# Altium PCB foxbms2-master.PcbDoc (part 7 of 12)
Units mil, origin at the board's own origin, x right, y up, seen from the top; angles counter-clockwise.
Board outline 7874.02 x 4724.41 mil, 8 copper layers (Top, Int1 (Sig), Int2 (Gnd), Int3 (Sig), Int4 (Sig), Int5 (Pwr), Int6 (Sig), Bottom), stack 64.41 mil thick; 912 components, 680 nets, 3159 pads, 2871 vias.
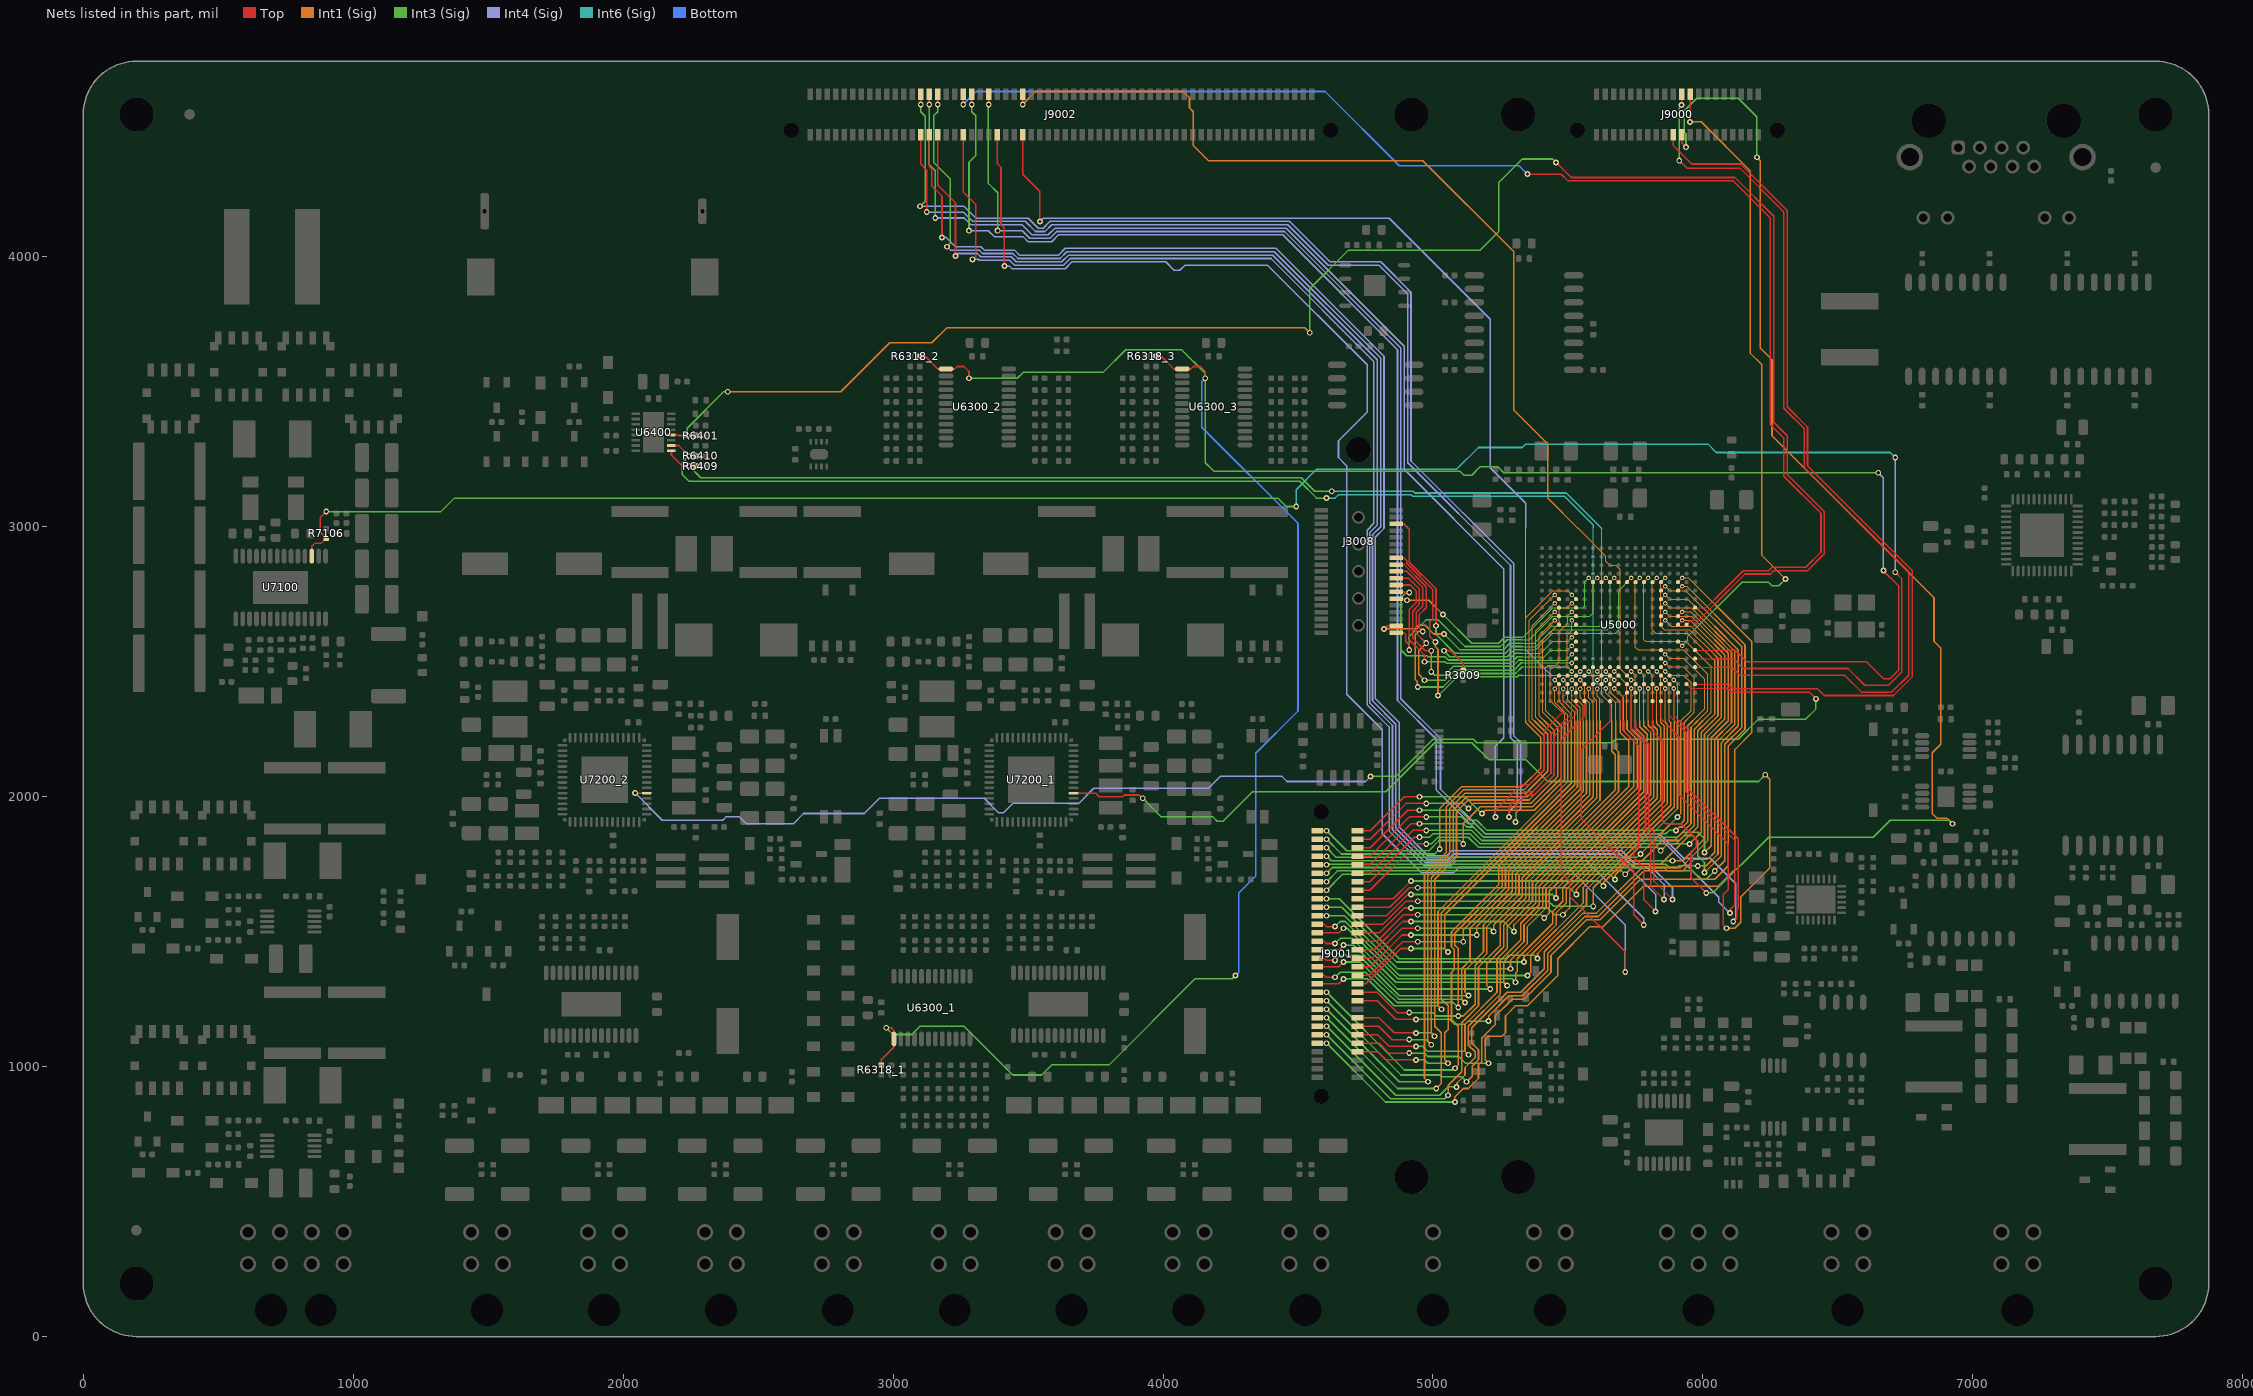
[diagram p13: the nets of this part, all layers, seen from the top]

## Via types
v1: diameter 21.65, hole 11.81, Top to Bottom, 1680 vias
v2: diameter 21.65, hole 11.81, Top to Bottom, tented both sides, 970 vias
v3: diameter 17.72, hole 7.87, Top to Bottom, tented both sides, 172 vias
v4: diameter 17.72, hole 7.87, Top to Bottom, 23 vias
v5: diameter 29.53, hole 19.68, Top to Bottom, tented both sides, 17 vias
v6: diameter 29.53, hole 19.68, Top to Bottom, 9 vias

## Nets (pads, with @x,y where several pads share a name; then routed paths per layer and width w, separated by ;. In a path a pad name is that pad's centre, name@x,y a point inside that pad or via, vN(x,y) a via of type N, cw(c..) or ccw(c..) an arc to the next point about the centre after c; other vN are vias at no path point) (continued)
MCU_EMIF.\CS0_1: J9001.44 U5000.N17 | length 2731.5
  Top w4: v3(5451.28,2747.74) U5000.N17@5467.03,2731.99
  Top w6: J9001.44@4570.87,1212.6 v1(4606.25,1212.6)
  Int3 (Sig) w6: v1(4606.25,1212.6) 4875.1,943.75 v1(4981.25,943.75)
  Int1 (Sig) w4: 5356.25,2281.25 5356.25,2652.71 v3(5451.28,2747.74)
  Int1 (Sig) w6: v1(4981.25,943.75) 4968.75,956.25 4968.75,1712.5 5050,1793.75 5050,1962.5 5112.5,2025 5337.5,2025 5412.5,2100 5412.5,2225 5356.25,2281.25
MCU_EMIF.\CS2_1: J9001.45 U5000.L17 | length 2281.8
  Top w4: v4(5451.28,2684.74) U5000.L17@5467.03,2669
  Top w6: J9001.45@4720.47,1181.1 4800.15,1181.1 4856.25,1125 v1(4937.5,1125)
  Int3 (Sig) w6: v1(4937.5,1125) 4993.75,1125 v1(5006.25,1112.5)
  Int1 (Sig) w4: 5393.75,2281.25 5381.25,2293.75 5381.25,2614.71 v4(5451.28,2684.74)
  Int1 (Sig) w6: v1(5006.25,1112.5) 4993.75,1125 4993.75,1700 5075,1781.25 5075,1950 5125,2000 5350,2000 5437.5,2087.5 5437.5,2237.5 5393.75,2281.25
MCU_EMIF.\CS3_1: J9001.46 U5000.K17 | length 2687.9
  Top w4: v4(5451.28,2653.25) U5000.K17@5467.03,2637.5
  Top w6: J9001.46@4570.87,1181.1 v1(4606.25,1181.1)
  Int3 (Sig) w6: v1(4606.25,1181.1) 4868.6,918.75 v1(5012.5,918.75)
  Int1 (Sig) w4: 5412.5,2281.25 5393.75,2300 5393.75,2595.72 v4(5451.28,2653.25)
  Int1 (Sig) w6: v1(5012.5,918.75) 5031.25,937.5 5031.25,1125 5006.25,1150 5006.25,1693.75 5087.5,1775 5087.5,1943.75 5131.25,1987.5 5356.25,1987.5 5450,2081.25 5450,2243.75 5412.5,2281.25
MCU_EMIF.\CS4_1: J9001.47 U5000.M17 | length 2337.1
  Top w4: v4(5451.28,2716.24) U5000.M17@5467.03,2700.49
  Top w6: J9001.47@4720.47,1149.61 4799.75,1149.61 4849.36,1100 v1(4912.5,1100)
  Int3 (Sig) w6: v1(4912.5,1100) 4975,1100 v1(4993.75,1081.25)
  Int1 (Sig) w4: 5375,2281.25 5368.75,2287.5 5368.75,2633.71 v4(5451.28,2716.24)
  Int1 (Sig) w6: v1(4993.75,1081.25) 4981.25,1093.75 4981.25,1706.25 5062.5,1787.5 5062.5,1956.25 5118.75,2012.5 5343.75,2012.5 5425,2093.75 5425,2231.25 5375,2281.25
MCU_EMIF.\DQM0_1: J9001.48 U5000.E10 | length 2529.8
  Top w4: v3(5671.75,2464.27) U5000.E10@5687.5,2480.02
  Top w6: J9001.48@4570.87,1149.61 v1(4606.25,1149.61)
  Int3 (Sig) w6: v1(4606.25,1149.61) 4862.11,893.75 5025,893.75 5056.25,925 v1(5087.5,925)
  Int1 (Sig) w4: v3(5671.75,2464.27) 5718.75,2417.27 5718.75,2281.25
  Int1 (Sig) w6: v1(5087.5,925) 5089.27,926.77 5089.27,939.27 5118.75,968.75 5118.75,996.37 5156.25,1033.87 5156.25,1054.58 5131.25,1079.58 5131.25,1150 5250,1268.75 5250,1393.75 5325,1468.75 5325,1531.25 5393.75,1600 5393.75,1668.75 5756.25,2031.25 5756.25,2212.5 5718.75,2250 5718.75,2281.25
MCU_EMIF.\DQM1_1: J9001.49 U5000.E11 | length 2175.8
  Top w4: v3(5640.26,2464.27) U5000.E11@5656,2480.02
  Top w6: J9001.49@4720.47,1118.11 4794.39,1118.11 4837.5,1075 v1(4937.5,1075)
  Int3 (Sig) w6: v1(4937.5,1075) 4962.5,1075 4981.25,1056.25 5118.75,1056.25 v1(5131.25,1043.75)
  Int1 (Sig) w4: v3(5640.26,2464.27) 5656.25,2448.28 5656.25,2387.5 5693.75,2350 5693.75,2281.25
  Int1 (Sig) w6: v1(5131.25,1043.75) 5118.75,1056.25 5118.75,1156.25 5237.5,1275 5237.5,1400 5275,1437.5 5275,1518.75 5368.75,1612.5 5368.75,1681.25 5725,2037.5 5725,2206.25 5693.75,2237.5 5693.75,2281.25
MCU_EMIF.\OE_1: J9001.50 U5000.E12 | length 2465.2
  Top w4: v4(5608.76,2464.27) U5000.E12@5624.51,2480.02
  Top w6: J9001.50@4570.87,1118.11 v1(4606.25,1118.11)
  Int3 (Sig) w6: v1(4606.25,1118.11) 4843.11,881.25 5043.75,881.25 v1(5056.25,893.75)
  Int1 (Sig) w4: v4(5608.76,2464.27) 5625,2448.03 5625,2377.76 5662.5,2340.26 5662.5,2281.25
  Int1 (Sig) w6: v1(5056.25,893.75) 5056.25,931.25 5106.25,981.25 5106.25,1162.5 5168.75,1225 5168.75,1368.75 5250,1450 5250,1531.25 5343.75,1625 5343.75,1693.75 5675,2025 5675,2155.62 5662.5,2168.12 5662.5,2281.25
MCU_EMIF.\RAS_1: J9001.51 U5000.R3 | length 3115.9
  Top w4: U5000.R3@5907.97,2794.98 v3(5923.72,2810.73)
  Top w6: J9001.51@4720.47,1086.61 4800.89,1086.61 4837.5,1050 v1(4912.5,1050)
  Int3 (Sig) w6: v1(4912.5,1050) 4968.75,1050 4981.25,1037.5 5095.63,1037.5 5120.63,1012.5 v1(5206.25,1012.5)
  Int1 (Sig) w4: v3(5923.72,2810.73) 5945.52,2810.73 6043.75,2712.5
  Int1 (Sig) w6: v1(5206.25,1012.5) 5193.75,1025 5193.75,1100 5206.25,1112.5 5256.25,1112.5 5268.75,1125 5268.75,1187.5 5306.25,1225 5350,1225 5462.5,1337.5 5462.5,1400 5581.25,1518.75 5631.25,1518.75 5781.25,1668.75 6056.25,1668.75 6118.75,1731.25 6118.75,2175 6181.25,2237.5 6181.25,2575 6043.75,2712.5
MCU_EMIF.\WAIT_1: J9001.52 U5000.P3 | length 3311.2
  Top w4: U5000.P3@5907.97,2763.48 v3(5923.72,2779.23)
  Top w6: J9001.52@4570.87,1086.61 v1(4606.25,1086.61)
  Int3 (Sig) w6: v1(4606.25,1086.61) 4824.11,868.75 v1(5081.25,868.75)
  Int1 (Sig) w4: v3(5923.72,2779.23) 5939.52,2779.23 6043.75,2675
  Int1 (Sig) w6: v1(5081.25,868.75) 5081.25,887.5 5112.5,918.75 5131.25,918.75 5168.75,956.25 5168.75,1006.25 5181.25,1018.75 5181.25,1106.25 5231.25,1156.25 5231.25,1187.5 5293.75,1250 5337.5,1250 5437.5,1350 5437.5,1412.5 5568.75,1543.75 5618.75,1543.75 5768.75,1693.75 6043.75,1693.75 6093.75,1743.75 6093.75,2187.5 6156.25,2250 6156.25,2562.5 6043.75,2675
MCU_EMIF.\WE_1: J9001.53 U5000.D17 | length 2041.4
  Top w4: v3(5451.28,2432.78) U5000.D17@5467.03,2448.52
  Top w6: J9001.53@4720.47,1055.12 4795.23,1055.12 4825.34,1025 v1(4937.5,1025)
  Int3 (Sig) w6: v1(4937.5,1025) 4968.75,1025 4981.25,1012.5 v1(5056.25,1012.5)
  Int1 (Sig) w4: v3(5451.28,2432.78) 5467.92,2416.14 5467.92,2350.83 5512.5,2306.25 5512.5,2281.25
  Int1 (Sig) w6: v1(5056.25,1012.5) 5043.75,1025 5043.75,1125 5056.25,1137.5 5056.25,1225 5031.25,1250 5031.25,1568.75 5512.5,2050 5512.5,2281.25
MCU_EMIF.ADDR0: J9001.17 U5000.D4 | length 1852.4
  Top w4: U5000.D4@5876.48,2448.52 v3(5892.22,2432.78)
  Top w6: J9001.17@4720.47,1622.05 4853.3,1622.05 v1(4918.75,1687.5)
  Int3 (Sig) w6: v1(4918.75,1687.5) 5612.5,1687.5 v1(5631.25,1668.75)
  Int1 (Sig) w4: v3(5892.22,2432.78) 5907.08,2417.92 5907.08,2281.25
  Int1 (Sig) w6: v1(5631.25,1668.75) 5631.25,1681.25 5906.25,1956.25 5906.25,2276.13 5907.08,2276.96 5907.08,2281.25
MCU_EMIF.ADDR1: J9001.18 U5000.D5 | length 2187
  Top w4: U5000.D5@5844.98,2448.52 v3(5860.73,2432.78)
  Top w6: J9001.18@4570.87,1622.05 v1(4606.25,1622.05)
  Int3 (Sig) w6: v1(4606.25,1622.05) 4652.95,1622.05 4875,1400 5268.75,1400 5281.25,1412.5 5375,1412.5 v1(5387.5,1400)
  Int1 (Sig) w4: v3(5860.73,2432.78) 5875.59,2417.92 5875.59,2281.25
  Int1 (Sig) w6: v1(5387.5,1400) 5387.5,1418.75 5568.75,1600 5568.75,1656.25 5881.25,1968.75 5881.25,2275 5875.59,2280.66 5875.59,2281.25
MCU_EMIF.ADDR2: J9001.19 U5000.E6 | length 1846.1
  Top w4: U5000.E6@5813.48,2480.02 v3(5829.23,2464.27)
  Top w6: J9001.19@4720.47,1590.55 4840.55,1590.55 4912.5,1662.5 v1(4943.49,1662.5)
  Int3 (Sig) w6: v1(4943.49,1662.5) 5506.25,1662.5 v1(5531.25,1637.5)
  Int1 (Sig) w4: v3(5829.23,2464.27) 5844.09,2449.41 5844.09,2412.84 5843.75,2412.5 5843.75,2407.77 5844.09,2407.43 5844.09,2281.25
  Int1 (Sig) w6: v1(5531.25,1637.5) 5531.25,1656.25 5856.25,1981.25 5856.25,2262.5 5844.09,2274.66 5844.09,2281.25
MCU_EMIF.ADDR3: J9001.20 U5000.E7 | length 2168.3
  Top w4: U5000.E7@5781.99,2480.02 v3(5797.74,2464.27)
  Top w6: J9001.20@4570.87,1590.55 v1(4606.25,1590.55)
  Int3 (Sig) w6: v1(4606.25,1590.55) 4662.25,1590.55 4865.31,1387.5 v1(5337.5,1387.5)
  Int1 (Sig) w4: v3(5797.74,2464.27) 5812.59,2449.41 5812.59,2425.09 5812.5,2425 5812.5,2407.53 5814.37,2405.65 5814.37,2281.25
  Int1 (Sig) w6: v1(5337.5,1387.5) 5337.5,1406.25 5456.25,1525 5456.25,1568.75 5493.75,1606.25 5493.75,1656.25 5831.25,1993.75 5831.25,2247.98 5814.37,2264.86 5814.37,2281.25
MCU_EMIF.ADDR4: J9001.21 U5000.E8 | length 1796.5
  Top w4: U5000.E8@5750.49,2480.02 v3(5766.24,2464.27)
  Top w6: J9001.21@4720.47,1559.05 4827.81,1559.05 4904.48,1635.73 4916.98,1635.73 v1(4918.75,1637.5)
  Int3 (Sig) w6: v1(4918.75,1637.5) 5443.75,1637.5 v1(5456.25,1625)
  Int1 (Sig) w4: v3(5766.24,2464.27) 5781.25,2449.26 5781.25,2281.25
  Int1 (Sig) w6: v1(5456.25,1625) 5456.25,1656.25 5806.25,2006.25 5806.25,2237.5 5781.25,2262.5 5781.25,2281.25
MCU_EMIF.ADDR5: J9001.22 U5000.E9 | length 2145.9
  Top w4: U5000.E9@5719,2480.02 v3(5734.74,2464.27)
  Top w6: J9001.22@4570.87,1559.05 v1(4606.25,1559.05)
  Int3 (Sig) w6: v1(4606.25,1559.05) 4672.19,1559.05 4868.75,1362.5 v1(5287.5,1362.5)
  Int1 (Sig) w4: v3(5734.74,2464.27) 5750,2449.02 5750,2281.25
  Int1 (Sig) w6: v1(5287.5,1362.5) 5287.5,1393.75 5350,1456.25 5350,1518.75 5418.75,1587.5 5418.75,1656.25 5781.25,2018.75 5781.25,2225 5750,2256.25 5750,2281.25
MCU_EMIF.ADDR6: J9001.23 U5000.C4 | length 1870.9
  Top w4: U5000.C4@5876.48,2417.03 v3(5892.22,2401.28)
  Top w6: J9001.23@4720.47,1527.56 4815.06,1527.56 4900,1612.5 v1(4943.75,1612.5)
  Int3 (Sig) w6: v1(4943.75,1612.5) 5428.46,1612.5 5447.21,1593.75 v1(5593.75,1593.75)
  Int1 (Sig) w4: v3(5892.22,2401.28) 5893.75,2399.75 5893.75,2281.25
  Int1 (Sig) w6: v1(5593.75,1593.75) 5593.75,1662.5 5893.75,1962.5 5893.75,2281.25
MCU_EMIF.ADDR7: J9001.24 U5000.C5 | length 2177.6
  Top w4: U5000.C5@5844.98,2417.03 v3(5860.73,2401.28)
  Top w6: J9001.24@4570.87,1527.56 4596.52,1527.56 4605.33,1518.75 v1(4637.5,1518.75)
  Int3 (Sig) w6: v1(4637.5,1518.75) 4656.25,1537.5 4675,1537.5 4875,1337.5 v1(5350,1337.5)
  Int1 (Sig) w4: 5860.73,2281.25 v3(5860.73,2401.28)
  Int1 (Sig) w6: v1(5350,1337.5) 5362.5,1350 5362.5,1412.5 5556.25,1606.25 5556.25,1662.5 5868.75,1975 5868.75,2268.75 5860.73,2276.77 5860.73,2281.25
MCU_EMIF.ADDR8: J9001.25 U5000.C6 | length 1826.2
  Top w4: U5000.C6@5813.48,2417.03 v3(5829.23,2401.28)
  Top w6: J9001.25@4720.47,1496.06 4802.31,1496.06 4893.75,1587.5 v1(4918.75,1587.5)
  Int3 (Sig) w6: v1(4918.75,1587.5) 5425,1587.5 5450,1562.5 v1(5481.25,1562.5)
  Int1 (Sig) w4: 5829.23,2281.25 v3(5829.23,2401.28)
  Int1 (Sig) w6: v1(5481.25,1562.5) 5506.25,1587.5 5506.25,1650 5843.75,1987.5 5843.75,2256.25 5829.23,2270.77 5829.23,2281.25
MCU_EMIF.ADDR9: J9001.26 U5000.C7 | length 2157.1
  Top w4: U5000.C7@5781.99,2417.03 v3(5797.74,2401.28)
  Top w6: J9001.26@4570.87,1496.06 4652.31,1496.06 v1(4668.75,1512.5)
  Int3 (Sig) w6: v1(4668.75,1512.5) 4683.07,1512.5 4870.57,1325 5293.75,1325 v1(5306.25,1312.5)
  Int1 (Sig) w4: 5797.74,2281.25 v3(5797.74,2401.28)
  Int1 (Sig) w6: v1(5306.25,1312.5) 5306.25,1345.87 5312.5,1352.12 5312.5,1400 5443.75,1531.25 5443.75,1575 5481.25,1612.5 5481.25,1662.5 5818.75,2000 5818.75,2243.75 5797.74,2264.76 5797.74,2281.25
MCU_EMIF.ADDR10: J9001.27 U5000.C8 | length 1780.6
  Top w4: U5000.C8@5750.49,2417.03 v3(5766.24,2401.28)
  Top w6: J9001.27@4720.47,1464.57 4793.26,1464.57 4891.19,1562.5 v1(4943.49,1562.5)
  Int3 (Sig) w6: v1(4943.49,1562.5) 5400,1562.5 v1(5412.5,1550)
  Int1 (Sig) w4: 5766.24,2281.25 v3(5766.24,2401.28)
  Int1 (Sig) w6: v1(5412.5,1550) 5431.25,1568.75 5431.25,1650 5793.75,2012.5 5793.75,2231.25 5766.24,2258.76 5766.24,2281.25
MCU_EMIF.ADDR11: J9001.28 U5000.C9 | length 2140.3
  Top w4: U5000.C9@5719,2417.03 v3(5734.74,2401.28)
  Top w6: J9001.28@4570.87,1464.57 4596.52,1464.57 4604.84,1456.25 v1(4637.5,1456.25)
  Int3 (Sig) w6: v1(4637.5,1456.25) 4656.25,1475 4700,1475 4862.5,1312.5 5262.5,1312.5 v1(5275,1300)
  Int1 (Sig) w4: 5734.74,2281.25 v3(5734.74,2401.28)
  Int1 (Sig) w6: v1(5275,1300) 5262.5,1312.5 5262.5,1387.5 5337.5,1462.5 5337.5,1525 5406.25,1593.75 5406.25,1662.5 5768.75,2025 5768.75,2218.75 5734.74,2252.76 5734.74,2281.25
MCU_EMIF.ADDR12: J9001.29 U5000.C10 | length 1775.5
  Top w4: v3(5671.75,2401.28) U5000.C10@5687.5,2417.03
  Top w6: J9001.29@4720.47,1433.07 4783.07,1433.07 4887.5,1537.5 v1(4918.75,1537.5)
  Int3 (Sig) w6: v1(4918.75,1537.5) 5262.5,1537.5 v1(5300,1500)
  Int1 (Sig) w4: v3(5671.75,2401.28) 5706.25,2366.78 5706.25,2281.25
  Int1 (Sig) w6: v1(5300,1500) 5300,1525 5381.25,1606.25 5381.25,1675 5743.75,2037.5 5743.75,2206.25 5706.25,2243.75 5706.25,2281.25
MCU_EMIF.ADDR13: J9001.30 U5000.C11 | length 2078.7
  Top w4: v4(5640.26,2401.28) U5000.C11@5656,2417.03
  Top w6: J9001.30@4570.87,1433.07 4651.82,1433.07 v1(4668.75,1450)
  Int3 (Sig) w6: v1(4668.75,1450) 4706.25,1450 4868.75,1287.5 v1(5212.5,1287.5)
  Int1 (Sig) w4: v4(5640.26,2401.28) 5640.26,2384.74 5677.93,2347.07 5677.93,2281.25
  Int1 (Sig) w6: v1(5212.5,1287.5) 5200,1300 5200,1381.25 5262.5,1443.75 5262.5,1525 5356.25,1618.75 5356.25,1687.5 5687.5,2018.75 5687.5,2165.68 5677.93,2175.25 5677.93,2281.25
MCU_EMIF.ADDR14: J9001.31 U5000.C12 | length 1646.4
  Top w4: v4(5608.76,2400) 5608.76,2401.28 U5000.C12@5624.51,2417.03
  Top w6: J9001.31@4720.47,1401.57 4774.26,1401.57 4885.19,1512.5 v1(4943.49,1512.5)
  Int3 (Sig) w6: v1(4943.49,1512.5) 5212.5,1512.5 v1(5225,1500)
  Int1 (Sig) w4: v4(5608.76,2400) 5608.76,2372.49 5618.75,2362.5 5618.75,2281.25
  Int1 (Sig) w6: v1(5225,1500) 5225,1525 5331.25,1631.25 5331.25,1700 5618.75,1987.5 5618.75,2281.25
MCU_EMIF.ADDR15: J9001.32 U5000.C13 | length 2004.9
  Top w4: v4(5577.26,2400) 5577.26,2401.28 U5000.C13@5593.01,2417.03
  Top w6: J9001.32@4570.87,1401.57 4596.52,1401.57 4604.34,1393.75 v1(4637.5,1393.75)
  Int3 (Sig) w6: v1(4637.5,1393.75) 4656.25,1412.5 4725,1412.5 4875,1262.5 5130.49,1262.5 v1(5132.01,1264.02)
  Int1 (Sig) w4: v4(5577.26,2400) 5577.26,2366.49 5593.75,2350 5593.75,2281.25
  Int1 (Sig) w6: v1(5132.01,1264.02) 5129.73,1264.02 5118.75,1275 5118.75,1356.25 5187.5,1425 5187.5,1525 5306.25,1643.75 5306.25,1712.5 5593.75,2000 5593.75,2281.25
MCU_EMIF.ADDR16: J9001.33 U5000.D14 | length 1646.4
  Top w4: v4(5545.77,2432.78) U5000.D14@5561.52,2448.52
  Top w6: J9001.33@4720.47,1370.08 4768.01,1370.08 4885.43,1487.5 v1(4918.75,1487.5)
  Int3 (Sig) w6: v1(4918.75,1487.5) v1(5162.5,1487.5)
  Int1 (Sig) w4: v4(5545.77,2432.78) 5562.41,2416.14 5562.41,2364.86 5581.25,2346.01 5581.25,2281.25
  Int1 (Sig) w6: v1(5162.5,1487.5) 5162.5,1518.75 5293.75,1650 5293.75,1718.75 5581.25,2006.25 5581.25,2281.25
MCU_EMIF.ADDR17: J9001.34 U5000.C14 | length 2008.2
  Top w4: v4(5545.77,2400) 5545.77,2401.28 U5000.C14@5561.52,2417.03
  Top w6: J9001.34@4570.87,1370.08 4651.33,1370.08 v1(4668.75,1387.5)
  Int3 (Sig) w6: v1(4668.75,1387.5) 4731.25,1387.5 4748.67,1370.08 4870.86,1252.5 4873.36,1250 5106.25,1250 v1(5118.75,1237.5)
  Int1 (Sig) w4: v4(5545.77,2400) 5545.77,2366.73 5568.75,2343.75 5568.75,2281.25
  Int1 (Sig) w6: v1(5118.75,1237.5) 5106.25,1250 5106.25,1362.5 5137.5,1393.75 5137.5,1512.5 5281.25,1656.25 5281.25,1725 5568.75,2012.5 5568.75,2281.25
MCU_EMIF.ADDR18: J9001.35 U5000.D15 | length 1637.1
  Top w4: v4(5514.27,2432.78) U5000.D15@5530.02,2448.52
  Top w6: J9001.35@4720.47,1338.58 4763.58,1338.58 4887.5,1462.5 v1(4943.49,1462.5)
  Int3 (Sig) w6: v1(4943.49,1462.5) v1(5112.5,1462.5)
  Int1 (Sig) w4: v4(5514.27,2432.78) 5530.91,2416.14 5530.91,2362.84 5556.25,2337.5 5556.25,2281.25
  Int1 (Sig) w6: v1(5112.5,1462.5) 5112.5,1506.25 5268.75,1662.5 5268.75,1731.25 5556.25,2018.75 5556.25,2281.25
MCU_EMIF.ADDR19: J9001.36 U5000.C15 | length 2002.2
  Top w4: v4(5514.27,2400) 5514.27,2401.28 U5000.C15@5530.02,2417.03
  Top w6: J9001.36@4570.87,1338.58 4596.52,1338.58 4603.85,1331.25 v1(4637.5,1331.25)
  Int3 (Sig) w6: v1(4637.5,1331.25) 4656.25,1350 4750,1350 4761.42,1338.58 4864.61,1240 4867.11,1237.5 5075,1237.5 v1(5093.75,1218.75)
  Int1 (Sig) w4: v4(5514.27,2400) 5514.27,2360.73 5545.77,2329.23 5545.77,2281.25
  Int1 (Sig) w6: v1(5093.75,1218.75) 5093.75,1437.5 5081.25,1450 5081.25,1493.75 5256.25,1668.75 5256.25,1737.5 5545.77,2027.02 5545.77,2281.25
MCU_EMIF.ADDR20: J9001.37 U5000.C16 | length 1615.5
  Top w4: v4(5482.78,2400) 5482.78,2401.28 U5000.C16@5498.52,2417.03
  Top w6: J9001.37@4720.47,1307.09 4750.84,1307.09 4881.25,1437.5 v1(4918.75,1437.5)
  Int3 (Sig) w6: v1(4918.75,1437.5) 5043.75,1437.5 v1(5056.25,1425)
  Int1 (Sig) w4: v4(5482.78,2400) 5482.78,2354.72 5525,2312.5 5525,2281.25
  Int1 (Sig) w6: v1(5056.25,1425) 5043.75,1437.5 5043.75,1562.5 5525,2043.75 5525,2281.25
MCU_EMIF.ADDR21: J9001.38 U5000.C17 | length 1950.2
  Top w4: v4(5451.28,2400) 5451.28,2401.28 U5000.C17@5467.03,2417.03
  Top w6: J9001.38@4570.87,1307.09 4650.84,1307.09 v1(4668.75,1325)
  Int3 (Sig) w6: v1(4668.75,1325) 4756.25,1325 4856.25,1225 5018.75,1225 v1(5031.25,1212.5)
  Int1 (Sig) w4: v4(5451.28,2400) 5451.28,2350.22 5500,2301.5 5500,2281.25
  Int1 (Sig) w6: v1(5031.25,1212.5) 5018.75,1225 5018.75,1575 5500,2056.25 5500,2281.25
MCU_EMIF.BA0_1: J9001.39 U5000.E13 | length 1944.1
  Top w4: v3(5577.26,2464.27) U5000.E13@5593.01,2480.02
  Top w6: J9001.39@4720.47,1275.59 4793.16,1275.59 4868.75,1200 v1(4912.5,1200)
  Int3 (Sig) w6: v1(4912.5,1200) 5000,1200 5012.5,1187.5 v1(5093.75,1187.5)
  Int1 (Sig) w4: v3(5577.26,2464.27) 5593.75,2447.79 5593.75,2368.75 5606.25,2356.25 5606.25,2281.25
  Int1 (Sig) w6: v1(5093.75,1187.5) 5112.5,1187.5 5156.25,1231.25 5156.25,1375 5200,1418.75 5200,1518.75 5318.75,1637.5 5318.75,1706.25 5606.25,1993.75 5606.25,2281.25
MCU_EMIF.BA1_1: J9001.40 U5000.D16 | length 2333
  Top w4: v3(5482.78,2432.78) U5000.D16@5498.52,2448.52
  Top w6: J9001.40@4570.87,1275.59 v1(4606.25,1275.59)
  Int3 (Sig) w6: v1(4606.25,1275.59) 4894.34,987.5 5070.76,987.5 5077.01,993.75 v1(5081.25,993.75)
  Int1 (Sig) w4: v3(5482.78,2432.78) 5499.41,2416.14 5499.41,2356.84 5535.77,2320.48 5535.77,2281.25
  Int1 (Sig) w6: v1(5081.25,993.75) 5093.75,1006.25 5093.75,1150 5068.75,1175 5068.75,1350 5078.98,1360.23 5078.98,1433.52 5068.75,1443.75 5068.75,1500 5243.75,1675 5243.75,1743.75 5535.77,2035.77 5535.77,2281.25
MCU_EMIF.CKE_1: J9001.41 U5000.L3 | length 2705
  Top w4: U5000.L3@5907.97,2669 v3(5923.72,2684.74)
  Top w6: J9001.41@4720.47,1244.09 4793.41,1244.09 4862.5,1175 v1(4937.5,1175)
  Int3 (Sig) w6: v1(4937.5,1175) 5062.5,1175 5081.25,1156.25 5118.75,1156.25 5131.25,1168.75 v1(5206.25,1168.75)
  Int1 (Sig) w4: v3(5923.72,2684.74) 5956,2684.74 6043.75,2597
  Int1 (Sig) w6: v1(5206.25,1168.75) 5206.25,1187.5 5281.25,1262.5 5331.25,1262.5 5425,1356.25 5425,1418.75 5562.5,1556.25 5612.5,1556.25 5781.25,1725 5925,1725 5968.75,1768.75 6018.75,1768.75 6043.75,1793.75 6043.75,2212.5 6106.25,2275 6106.25,2534.5 6043.75,2597
MCU_EMIF.CLK_1: J9001.42 U5000.K3 | length 3051.9
  Top w4: U5000.K3@5907.97,2637.5 v3(5923.72,2653.25)
  Top w6: J9001.42@4570.87,1244.09 v1(4606.25,1244.09)
  Int3 (Sig) w6: v1(4606.25,1244.09) 4881.59,968.75 5025,968.75 5031.25,962.5 5106.25,962.5 v1(5124.81,943.94)
  Int1 (Sig) w4: v3(5923.72,2653.25) 5953,2653.25 6043.75,2562.5
  Int1 (Sig) w6: v1(5124.81,943.94) 5145.52,964.65 5145.52,1001.77 5168.75,1025 5168.75,1062.5 5143.75,1087.5 5143.75,1143.75 5275,1275 5325,1275 5412.5,1362.5 5412.5,1425 5556.25,1568.75 5606.25,1568.75 5775,1737.5 5918.75,1737.5 6018.75,1837.5 6018.75,2225 6081.25,2287.5 6081.25,2525 6043.75,2562.5
MCU_EMIF.DATA0: J9001.1 U5000.K15 | length 1587.6
  Top w4: v3(5514.27,2653.25) U5000.K15@5530.02,2637.5
  Top w6: J9001.1@4720.47,1874.02 4767.77,1874.02 4893.75,2000 v1(4950,2000)
  Int3 (Sig) w6: v1(4950,2000) 5118.75,2000 v1(5181.25,1937.5)
  Int1 (Sig) w4: 5487.5,2281.25 5487.5,2302.68 5435.53,2354.65 5435.53,2469.54 5445.13,2479.13 5485.38,2479.13 5497.63,2491.38 5497.63,2597.9 5514.27,2614.53 v3(5514.27,2653.25)
  Int1 (Sig) w6: v1(5181.25,1937.5) 5193.75,1950 5375,1950 5487.5,2062.5 5487.5,2281.25
MCU_EMIF.DATA1: J9001.2 U5000.L15 | length 1818.2
  Top w4: v3(5514.27,2684.74) U5000.L15@5530.02,2669
  Top w6: J9001.2@4570.87,1874.02 v1(4606.25,1874.02)
  Int3 (Sig) w6: v1(4606.25,1874.02) 4680.27,1800 4985.16,1800 5022.66,1837.5 5100,1837.5 v1(5112.5,1825)
  Int1 (Sig) w4: 5456.25,2281.25 5418.75,2318.75 5418.75,2478.45 5427.8,2487.5 5456.25,2487.5 5467.92,2499.17 5467.92,2610.14 5499.41,2641.64 5499.41,2669.89 v3(5514.27,2684.74)
  Int1 (Sig) w6: v1(5112.5,1825) 5112.5,1900 5175,1962.5 5368.75,1962.5 5475,2068.75 5475,2262.5 5456.25,2281.25
MCU_EMIF.DATA2: J9001.3 U5000.M15 | length 1598.9
  Top w4: v3(5514.27,2716.24) U5000.M15@5530.02,2700.49
  Top w6: J9001.3@4720.47,1842.52 4767.52,1842.52 4900,1975 v1(4975,1975)
  Int3 (Sig) w6: v1(4975,1975) 5112.5,1975 v1(5131.25,1956.25)
  Int1 (Sig) w4: 5437.5,2281.25 5406.25,2312.5 5406.25,2581.42 5467.92,2643.09 5467.92,2692.92 5475,2700 5498.03,2700 v3(5514.27,2716.24)
  Int1 (Sig) w6: v1(5131.25,1956.25) 5150,1975 5362.5,1975 5462.5,2075 5462.5,2256.25 5437.5,2281.25
MCU_EMIF.DATA3: J9001.4 U5000.N15 | length 1891.8
  Top w4: v3(5514.27,2747.74) U5000.N15@5530.02,2731.99
  Top w6: J9001.4@4570.87,1842.52 v1(4606.25,1842.52)
  Int3 (Sig) w6: v1(4606.25,1842.52) 4661.27,1787.5 5006.25,1787.5 v1(5025,1806.25)
  Int1 (Sig) w4: 5343.75,2281.25 5343.75,2662.5 5443.84,2762.59 5499.41,2762.59 v3(5514.27,2747.74)